# KiCad board panel.kicad_pcb
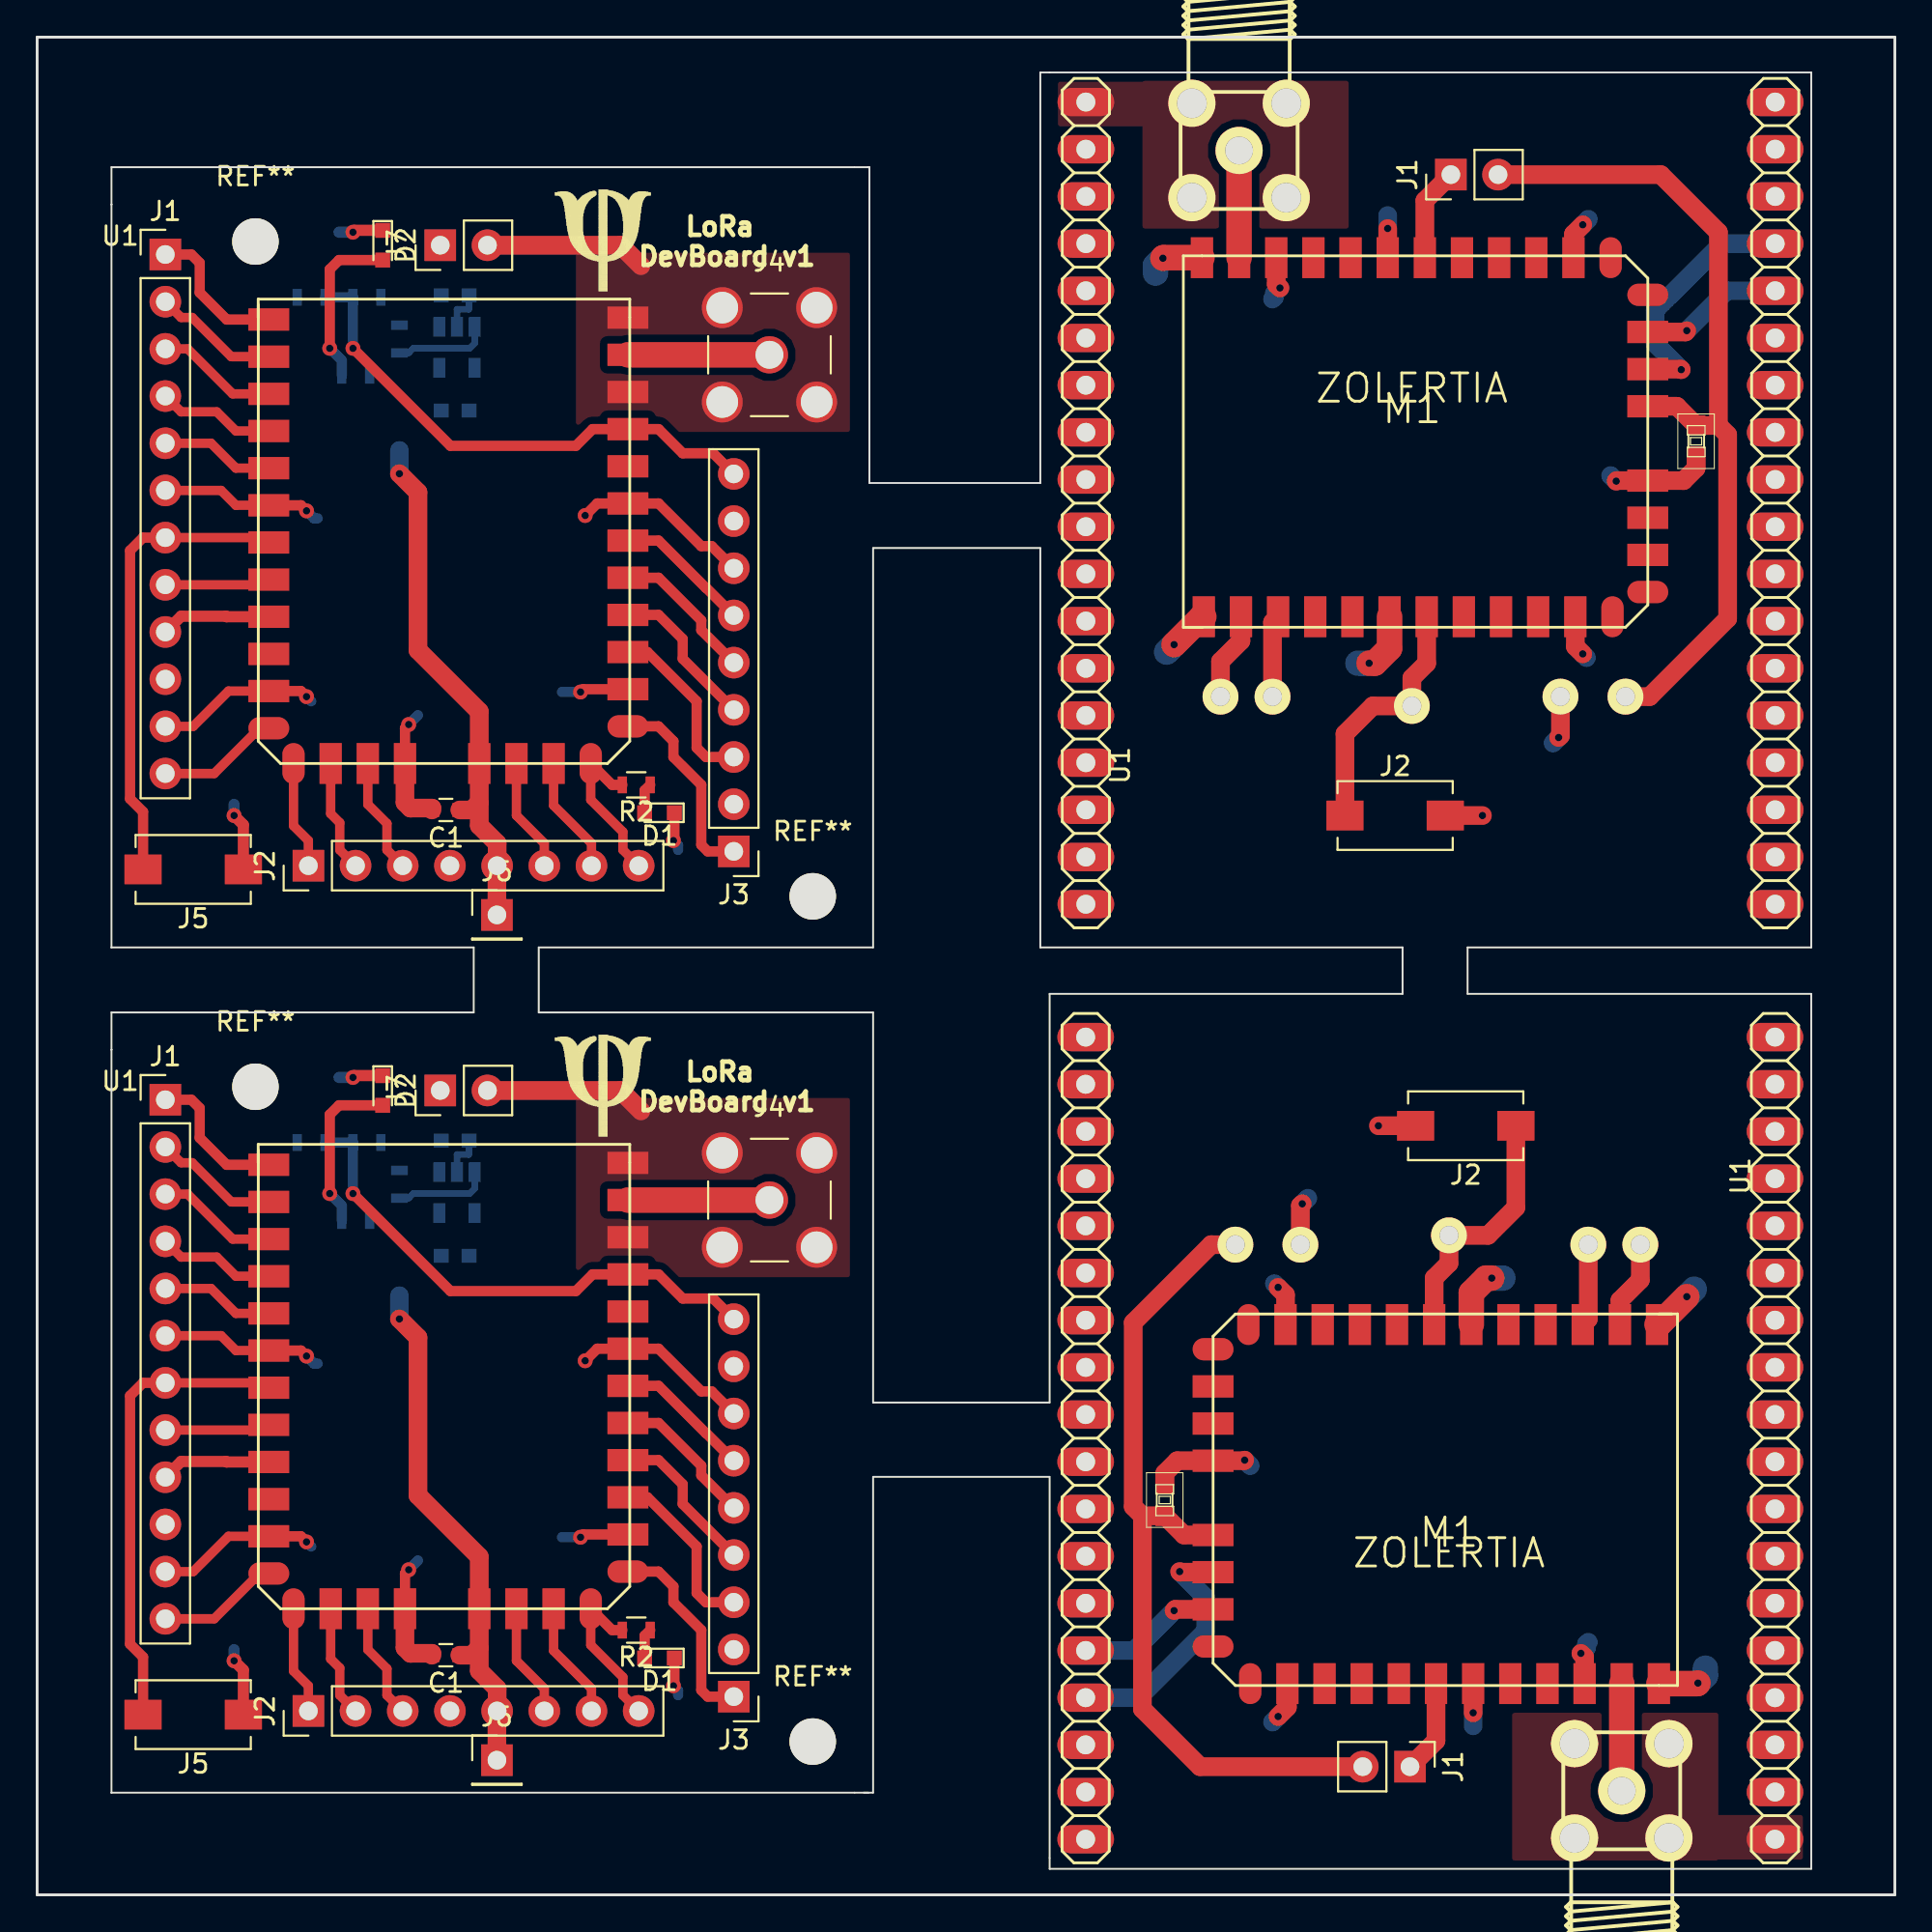
[diagram p0: board, top side]
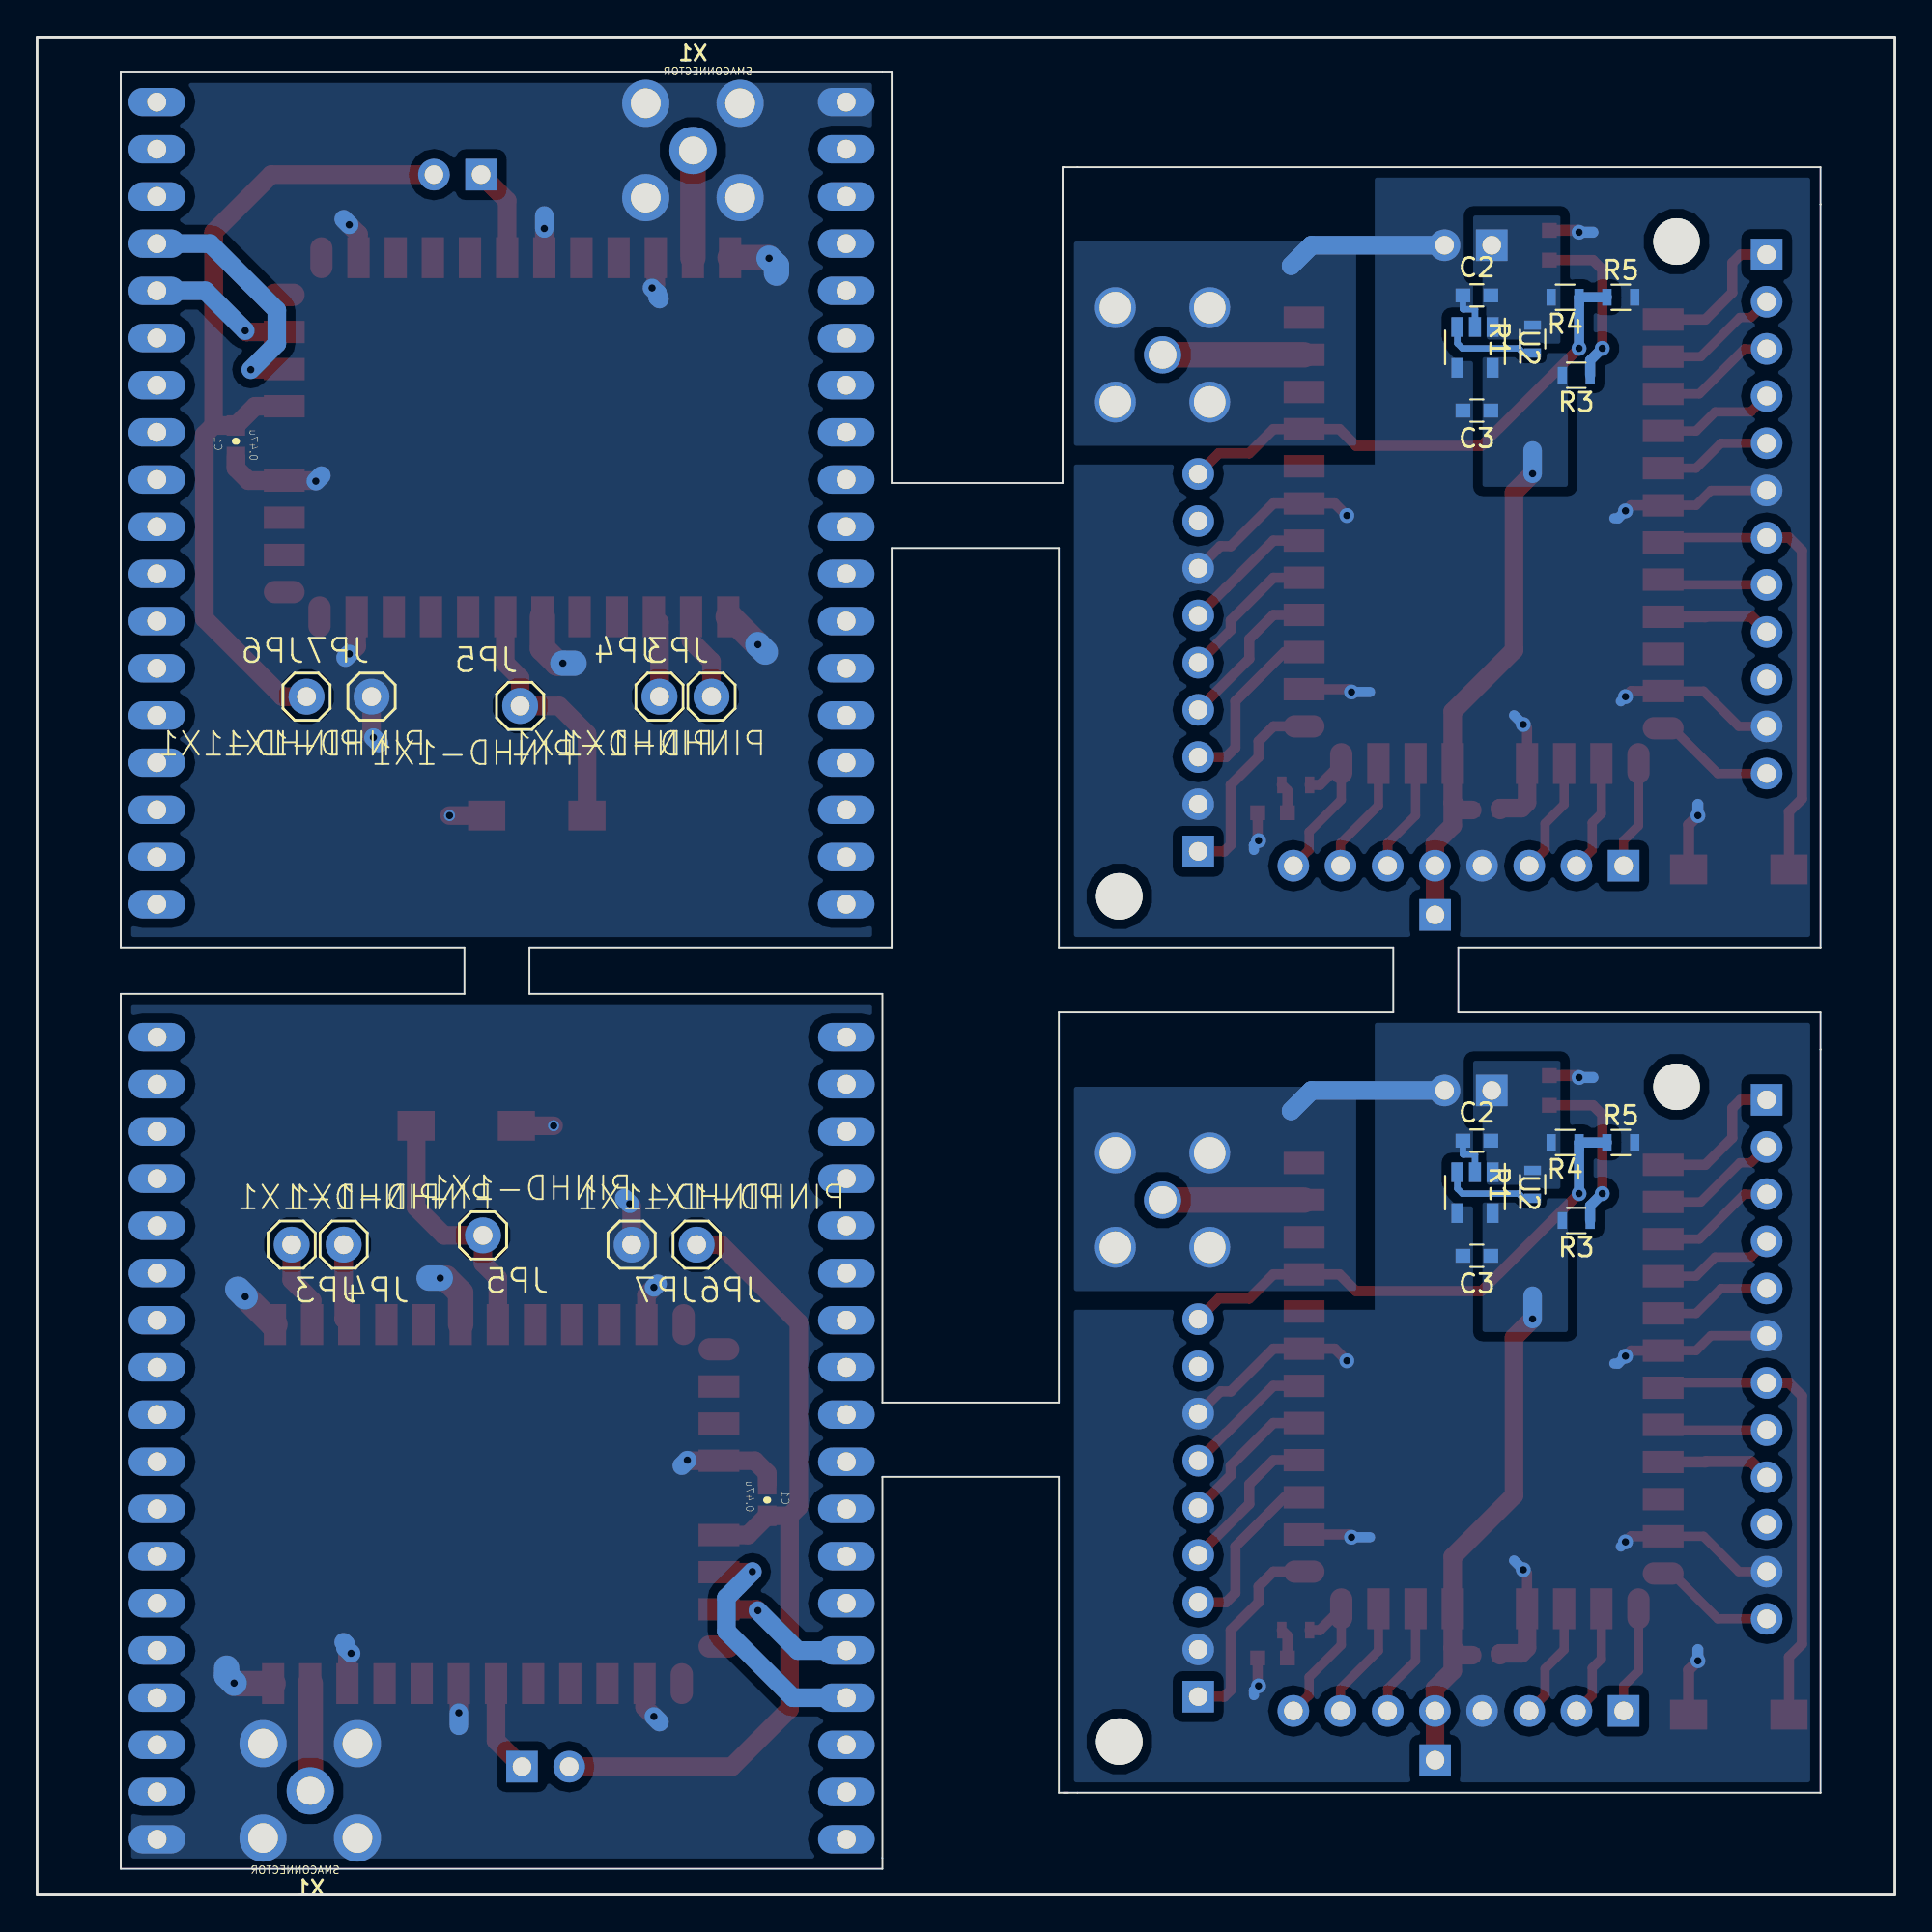
[diagram p1: board, bottom side, seen from below]

Outline 100 x 100 mm; copper layers: Top, Bottom. Coordinates in mm from the lower left corner of the outline.
Outline path: 44.75,93 4,93 4,51 23.5,51 23.5,47.5 4,47.5 4,5.5 44.75,5.5 ; 44.5,5.5 45,5.5 45,22.5 54.5,22.5 54.5,2 ; 44.7,93 44.8,93 44.8,76 54,76 54,98.1 95.5,98.1 95.5,51 77,51 77,48.5 95.5,48.5 95.5,1.4 54.5,1.4 54.5,1.99 ; 0,100 100,100 100,0 0,0 0,100 ; 27,51 27,47.5 45,47.5 45,26.5 54.5,26.5 54.5,48.5 73.5,48.5 73.5,51 54,51 54,72.5 45,72.5 45,51 27,51

## Placement (name value [footprint] x y rotation side)
C1  0.47u  [0603-CAP]  89.3 78.25 270 top
C1#2  0.47u  [0603-CAP]  60.7 21.25 90 top
C1#3  0.1u  [C_0603]  22 58.4 180 top
C1#4  0.1u  [C_0603]  22 12.9 180 top
C2  1u  [C_0603]  22.5 86.1 180 bottom
C2#2  1u  [C_0603]  22.5 40.6 180 bottom
C3  1u  [C_0603]  22.5 79.9 0 bottom
C3#2  1u  [C_0603]  22.5 34.4 0 bottom
D1  LED  [LED_0603]  33.5 58.25 180 top
D1#2  LED  [LED_0603]  33.5 12.75 180 top
D2  LED  [LED_0603]  18.6 88.8 270 top
D2#2  LED  [LED_0603]  18.6 43.3 270 top
J1  CONN_01X02  [Pin_Header_Straight_1x02_Pitch2.54mm]  76.1 92.6 90 top
J1#2  CONN_01X02  [Pin_Header_Straight_1x02_Pitch2.54mm]  73.9 6.9 270 top
J1#3  CONN_01X12  [Pin_Header_Straight_1x12_Pitch2.54mm]  6.9 88.3 0 top
J1#4  CONN_01X12  [Pin_Header_Straight_1x12_Pitch2.54mm]  6.9 42.8 0 top
J2  CONN_01X02  [SW_SPST_EVQPE1]  73.1 58.1 0 top
J2#2  CONN_01X02  [SW_SPST_EVQPE1]  76.9 41.4 180 top
J2#3  CONN_01X08  [Pin_Header_Straight_1x08_Pitch2.54mm]  14.6 55.4 90 top
J2#4  CONN_01X08  [Pin_Header_Straight_1x08_Pitch2.54mm]  14.6 9.9 90 top
J3  CONN_01X09  [Pin_Header_Straight_1x09_Pitch2.54mm]  37.5 56.17 180 top
J3#2  CONN_01X09  [Pin_Header_Straight_1x09_Pitch2.54mm]  37.5 10.67 180 top
J4  CONN_COAXIAL  [SMA_THT_Jack_Straight]  39.42 82.9 0 top
J4#2  CONN_COAXIAL  [SMA_THT_Jack_Straight]  39.42 37.4 0 top
J5  SwitchSPST  [SW_SPST_EVQPE1]  8.4 55.2 180 top
J5#2  SwitchSPST  [SW_SPST_EVQPE1]  8.4 9.7 180 top
J6  CONN_01X01  [Pin_Header_Straight_1x01_Pitch2.54mm]  24.75 52.75 0 top
J6#2  CONN_01X01  [Pin_Header_Straight_1x01_Pitch2.54mm]  24.75 7.25 0 top
J7  PWR  [Pin_Header_Straight_1x02_Pitch2.54mm]  21.7 88.8 90 top
J7#2  PWR  [Pin_Header_Straight_1x02_Pitch2.54mm]  21.7 43.3 90 top
JP3  PINHD-1X1  [1X01]  63.7 64.5 0 top
JP3#2  PINHD-1X1  [1X01]  86.3 35 180 top
JP4  PINHD-1X1  [1X01]  66.5 64.5 0 top
JP4#2  PINHD-1X1  [1X01]  83.5 35 180 top
JP5  PINHD-1X1  [1X01]  74 64 0 top
JP5#2  PINHD-1X1  [1X01]  76 35.5 180 top
JP6  PINHD-1X1  [1X01]  85.5 64.5 0 top
JP6#2  PINHD-1X1  [1X01]  64.5 35 180 top
JP7  PINHD-1X1  [1X01]  82 64.5 0 top
JP7#2  PINHD-1X1  [1X01]  68 35 180 top
LOGO  -  [logo]  27.7 91.8 0 top
LOGO#2  -  [logo]  27.7 46.3 0 top
M1  ZOLERTIA  [zolertia-ZOLERTIA]  74 80 0 top
M1#2  ZOLERTIA  [zolertia-ZOLERTIA]  76 19.5 180 top
R1  10k  [R_0603]  19.5 83.75 90 bottom
R1#2  10k  [R_0603]  19.5 38.25 90 bottom
R2  10k  [R_0603]  32.25 59.75 180 top
R2#2  10k  [R_0603]  32.25 14.25 180 top
R3  10k  [R_0603]  17.15 81.8 0 bottom
R3#2  10k  [R_0603]  17.15 36.3 0 bottom
R4  33k  [R_0603]  17.75 86 0 bottom
R4#2  33k  [R_0603]  17.75 40.5 0 bottom
R5  10k  [R_0603]  14.75 86 180 bottom
R5#2  10k  [R_0603]  14.75 40.5 180 bottom
REF**  -  [MountingHole_2.5mm]  41.75 53.75 0 top
REF**#2  -  [MountingHole_2.5mm]  41.75 8.25 0 top
REF**#3  -  [MountingHole_2.5mm]  11.75 89 0 top
REF**#4  -  [MountingHole_2.5mm]  11.75 43.5 0 top
U1  -  [im880b]  62.8 68.8 90 top
U1#2  -  [im880b]  87.2 30.7 270 top
U1#3  -  [im880b]  12.47 84.8 0 top
U1#4  -  [im880b]  12.47 39.3 0 top
U2  LDO-TPS78233  [SOT-23-5]  22.6 83.3 270 bottom
U2#2  LDO-TPS78233  [SOT-23-5]  22.6 37.8 270 bottom
X1  SMACONNECTOR  [SMA90_DIP]  64.7 93.9 0 top
X1#2  SMACONNECTOR  [SMA90_DIP]  85.3 5.6 180 top

## Footprints (pads in the part's own frame, mm; a bottom-side part is the same pattern mirrored in y, then rotated)
1X01
  round 1.93 hole 1.016: 1(0,0)
0603-CAP
  rect 1.1x0.998 smd: 1(-0.848,0) 2(0.848,0)
C_0603
  rect 0.8x0.75 smd: 1(-0.75,0) 2(0.75,0)
im880b
  rect 2.2x1.2 smd: 1(0,0) 2(0,-2) 3(0,-4) 4(0,-6) 5(0,-8) 6(0,-10) 7(0,-12) 8(0,-14) 9(0,-16) 10(0,-18) 11(0,-20) 22(19.33,-19.9) 23(19.33,-17.9) 24(19.33,-15.9) 25(19.33,-13.9) 26(19.33,-11.9) 27(19.33,-9.9) 28(19.33,-7.9) 29(19.33,-5.9) 30(19.33,-3.9) 31(19.33,-1.9) 32(19.33,0.1)
  oval 2.2x1.2 smd: 12(0,-22) 21(19.33,-21.9)
  oval 1.2x2.2 smd: 13(1.33,-23.9) 20(17.33,-23.9)
  rect 1.2x2.2 smd: 14(3.33,-23.9) 15(5.33,-23.9) 16(7.33,-23.9) 17(11.33,-23.9) 18(13.33,-23.9) 19(15.33,-23.9)
LED_0603
  rect 0.8x0.8 smd: 1(-0.8,0) 2(0.8,0)
MountingHole_2.5mm
  round 2.5 hole 2.5 unplated: (0,0)
Pin_Header_Straight_1x01_Pitch2.54mm
  rect 1.7x1.7 hole 1: 1(0,0)
Pin_Header_Straight_1x02_Pitch2.54mm
  rect 1.7x1.7 hole 1: 1(0,0)
  oval 1.7x1.7 hole 1: 2(0,-2.54)
Pin_Header_Straight_1x08_Pitch2.54mm
  rect 1.7x1.7 hole 1: 1(0,0)
  oval 1.7x1.7 hole 1: 2(0,-2.54) 3(0,-5.08) 4(0,-7.62) 5(0,-10.16) 6(0,-12.7) 7(0,-15.24) 8(0,-17.78)
Pin_Header_Straight_1x09_Pitch2.54mm
  rect 1.7x1.7 hole 1: 1(0,0)
  oval 1.7x1.7 hole 1: 2(0,-2.54) 3(0,-5.08) 4(0,-7.62) 5(0,-10.16) 6(0,-12.7) 7(0,-15.24) 8(0,-17.78) 9(0,-20.32)
Pin_Header_Straight_1x12_Pitch2.54mm
  rect 1.7x1.7 hole 1: 1(0,0)
  oval 1.7x1.7 hole 1: 2(0,-2.54) 3(0,-5.08) 4(0,-7.62) 5(0,-10.16) 6(0,-12.7) 7(0,-15.24) 8(0,-17.78) 9(0,-20.32) 10(0,-22.86) 11(0,-25.4) 12(0,-27.94)
R_0603
  rect 0.5x0.9 smd: 1(-0.75,0) 2(0.75,0)
SMA90_DIP
  round 2.54 hole 1.499: ANTE(0,0)
  round 2.54 hole 1.598: GND1(-2.54,2.54) GND2(2.54,2.54) GND3(-2.54,-2.54) GND4(2.54,-2.54)
SMA_THT_Jack_Straight
  round 2 hole 1.5: 1(0,0)
  round 2.2 hole 1.7: 2(-2.54,2.54) 2(-2.54,-2.54) 2(2.54,2.54) 2(2.54,-2.54)
SOT-23-5
  rect 1.06x0.65 smd: 1(-1.1,0.95) 2(-1.1,0) 3(-1.1,-0.95) 4(1.1,-0.95) 5(1.1,0.95)
SW_SPST_EVQPE1
  rect 2x1.6 smd: 1(-2.7,0) 2(2.7,0)
zolertia-ZOLERTIA
  oval 3.048x1.524 hole 1.016: 1(-17.549,16.51) 2(-17.549,13.97) 3(-17.549,11.43) 4(-17.549,8.89) 5(-17.549,6.35) 6(-17.549,3.81) 7(-17.549,1.27) 8(-17.549,-1.27) 9(-17.549,-3.81) 10(-17.549,-6.35) 11(-17.549,-8.89) 12(-17.549,-11.43) 13(-17.549,-13.97) 14(-17.549,-16.51) 15(-17.549,-19.05) 16(-17.549,-21.59) 17(-17.549,-24.13) 18(-17.549,-26.67) 19(19.558,-26.67) 20(19.558,-24.13) 21(19.558,-21.59) 22(19.558,-19.05) 23(19.558,-16.51) 24(19.558,-13.97) 25(19.558,-11.43) 26(19.558,-8.89) 27(19.558,-6.35) 28(19.558,-3.81) 29(19.558,-1.27) 30(19.558,1.27) 31(19.558,3.81) 32(19.558,6.35) 33(19.558,8.89) 34(19.558,11.43) 35(19.558,13.97) 36(19.558,16.51)

## Nets
+3V3: C1#3.1 C1#4.1 C3.1 C3#2.1 J2#3.5 J2#4.5 J6.1 J6#2.1 R3.2 R3#2.2 U1#3.17 U1#4.17 U2.5 U2#2.5
/3V3: C1.1 C1#2.1 J1.2 J1#2.2 JP6.1 JP6#2.1 U1.17 U1#2.17
GND: C1.2 C1#2.2 C1#3.2 C1#4.2 C2.1 C2#2.1 C3.2 C3#2.2 D1.1 D1#2.1 D2.1 D2#2.1 J1#3.6 J1#3.11 J1#4.6 J1#4.11 J2.2 J2#2.2 J2#3.4 J2#4.4 J3.2 J3.7 J3#2.2 J3#2.7 J4.2 J4#2.2 J5.1 J5#2.1 J7.2 J7#2.2 JP7.1 JP7#2.1 M1.1 M1#2.1 R5.2 R5#2.2 U1.1 U1.6 U1.11 U1.16 U1.22 U1.27 U1.30 U1.32 U1#2.1 U1#2.6 U1#2.11 U1#2.16 U1#2.22 U1#2.27 U1#2.30 U1#2.32 U1#3.6 U1#3.11 U1#3.16 U1#3.22 U1#3.27 U1#3.30 U1#3.32 U1#4.6 U1#4.11 U1#4.16 U1#4.22 U1#4.27 U1#4.30 U1#4.32 U2.2 U2.4 U2#2.2 U2#2.4 X1.GND1 X1.GND2 X1.GND3 X1.GND4 X1#2.GND1 X1#2.GND2 X1#2.GND3 X1#2.GND4
+BATT: C2.2 C2#2.2 J7.1 J7#2.1 R1.2 R1#2.2 R4.2 R4#2.2 U2.1 U2#2.1
/1: J1#3.1 J1#4.1 U1#3.1 U1#4.1
/2: J1#3.2 J1#4.2 U1#3.2 U1#4.2
/3: J1#3.3 J1#4.3 U1#3.3 U1#4.3
/4: J1#3.4 J1#4.4 U1#3.4 U1#4.4
/5: J1#3.5 J1#4.5 U1#3.5 U1#4.5
/7: J1#3.7 J1#4.7 J5.2 J5#2.2 U1#3.7 U1#4.7
/8: J1#3.8 J1#4.8 U1#3.8 U1#4.8
/9: J1#3.9 J1#4.9 U1#3.9 U1#4.9
/12: J1#3.12 J1#4.12 U1#3.12 U1#4.12
/13: J2#3.1 J2#4.1 U1#3.13 U1#4.13
/14: J2#3.2 J2#4.2 U1#3.14 U1#4.14
/15: J2#3.3 J2#4.3 U1#3.15 U1#4.15
/18: J2#3.6 J2#4.6 U1#3.18 U1#4.18
/19: J2#3.7 J2#4.7 U1#3.19 U1#4.19
/20: J2#3.8 J2#4.8 R2.2 R2#2.2 U1#3.20 U1#4.20
/21: J3.1 J3#2.1 U1#3.21 U1#4.21
/23: J3.3 J3#2.3 U1#3.23 U1#4.23
/24: J3.4 J3#2.4 U1#3.24 U1#4.24
/25: J3.5 J3#2.5 U1#3.25 U1#4.25
/26: J3.6 J3#2.6 U1#3.26 U1#4.26
/29: J3.9 J3#2.9 R4.1 R4#2.1 R5.1 R5#2.1 U1#3.29 U1#4.29
/BOOT: J1.1 J1#2.1 U1.26 U1#2.26
/JTCK: JP3.1 JP3#2.1 U1.2 U1#2.2
/JTMS: JP4.1 JP4#2.1 U1.3 U1#2.3
/RESET: J2.1 J2#2.1 JP5.1 JP5#2.1 U1.7 U1#2.7
/RF: J4.1 J4#2.1 U1.31 U1#2.31 U1#3.31 U1#4.31 X1.ANTE X1#2.ANTE
/RXD: M1.33 M1#2.33 U1.18 U1#2.18
/TXD: M1.32 M1#2.32 U1.19 U1#2.19
Net-(D1-Pad2): D1.2 D1#2.2 R2.1 R2#2.1
Net-(D2-Pad2): D2.2 D2#2.2 R3.1 R3#2.1
Net-(R1-Pad1): R1.1 R1#2.1 U2.3 U2#2.3

Pads without a net: J1#3 10; J1#4 10; J3 8; J3#2 8; M1 2 3 4 5 6 7 8 9 10 11 12 13 14 15 16 17 18 19 20 21 22 23 24 25 26 27 28 29 30 31 34 35 36; M1#2 2 3 4 5 6 7 8 9 10 11 12 13 14 15 16 17 18 19 20 21 22 23 24 25 26 27 28 29 30 31 34 35 36; U1 4 5 8 9 10 12 13 14 15 20 21 23 24 25 28 29; U1#2 4 5 8 9 10 12 13 14 15 20 21 23 24 25 28 29; U1#3 10 28; U1#4 10 28

## Via types
v1: diameter 0.6, hole 0.4, Top to Bottom, 24 vias
v2: diameter 0.8, hole 0.4, Top to Bottom, 22 vias

## Routing (per net, layer and track width the routed paths; a pad name or vN(x,y) marks a point on that pad's centre or on a via; arc(x,y) is an arc through that point)
+3V3: length 56.8
  Top w1: 23.8,13.3 23.8,12.06 24.76,11.1 J2#4.5 24.75,9.89 J6#2.1 ; 23.8,13.3 23.4,12.9 C1#4.1 ; 23.8,13.3 U1#4.17 23.8,18.2 20.5,21.5 20.5,30 v2(19.5,31) ; 23.8,58.8 23.4,58.4 C1#3.1 ; 23.8,58.8 23.8,57.56 24.76,56.6 J2#3.5 24.75,55.39 J6.1 ; 23.8,58.8 U1#3.17 23.8,63.7 20.5,67 20.5,75.5 v2(19.5,76.5)
  Bottom w1: 19.5,32.25 v2(19.5,31) ; 19.5,77.75 v2(19.5,76.5)
/3V3: length 91.2
  Top w1: JP6.1 86.8,64.5 91,68.7 91,78.6 90.5,79.1 ; 59.5,20.4 59,20.9 59,30.8 63.2,35 JP6#2.1 ; 59.5,20.4 C1#2.1 61.73,19.37 U1#2.17 ; 59.5,20.4 59.5,10 62.6,6.9 J1#2.2 ; J1.2 87.4,92.6 90.5,89.5 90.5,79.1 ; 90.5,79.1 C1.1 88.27,80.13 U1.17
GND: length 194.1
  Top w0.5: J1#4.6 9.9,30.1 10.7,29.3 U1#4.6 ; J1#3.6 9.9,75.6 10.7,74.8 U1#3.6 ; J1#3.11 8.4,62.9 10.3,64.8 U1#3.11 ; U1#4.11 10.3,19.3 8.4,17.4 J1#4.11
  Top w0.55: U1#4.11 14.2,19.3 v2(14.5,19) ; J3#2.7 36.31,27.1 35.75,27.1 33.45,29.4 U1#4.27 30.15,29.4 v2(29.5,28.75) ; v2(34.25,56.75) 34.3,56.8 D1.1 ; v2(14.5,64.5) 14.2,64.8 U1#3.11 ; D1#2.1 34.3,11.3 v2(34.25,11.25) ; U1#4.22 29.4,19.4 v2(29.25,19.25) ; J3.7 36.31,72.6 35.75,72.6 33.45,74.9 U1#3.27 30.15,74.9 v2(29.5,74.25) ; U1#3.22 29.4,64.9 v2(29.25,64.75) ; v2(20,63) 19.8,62.8 U1#3.16 ; U1#4.6 14.2,29.3 v2(14.5,29) ; U1#3.6 14.2,74.8 v2(14.5,74.5) ; v2(20,17.5) 19.8,17.3 U1#4.16
  Top w0.6: J5#2.1 11.1,12.1 v2(10.6,12.6) ; v2(17,44) 17.1,44.1 D2#2.1 ; v2(10.6,58.1) 11.1,57.6 J5.1 ; D2.1 17.1,89.6 v2(17,89.5)
  Top w1: 32.5,87.7 31.4,88.8 J7.2 ; 32.5,42.2 31.4,43.3 J7#2.2 ; U1#2.22 67.3,10.1 v1(66.8,9.6) ; v1(81.9,62.3) 82,62.4 JP7.1 ; J2.2 v1(77.8,58.1) ; U1#2.27 v1(77.3,9.8) ; v1(83.2,89.9) 82.7,89.4 U1.22 ; U1.30 66.7,86.7 v1(66.9,86.5) ; U1#2.11 67.2,32.3 v1(66.8,32.7) ; C1#3.2 21.25,58.5 20.1,58.5 19.8,58.8 U1#3.16 ; U1.11 82.8,67.2 v1(83.2,66.8) ; J2#2.2 v1(72.2,41.4) ; U1#4.16 19.8,13.3 20.1,13 21.25,13 C1#4.2 ; v1(83.1,13) 83.3,12.8 U1#2.30 ; C1#2.2 60.7,22.7 61.37,23.37 U1#2.16 64.97,23.37 v1(65,23.4) ; JP7#2.1 68,37.1 v1(68.1,37.2) ; v1(85,76.1) 85.03,76.13 U1.16 88.63,76.13 89.3,76.8 C1.2 ; U1.27 v1(72.7,89.7)
  Top w1.37: v1(60.6,88.1) 60.63,88.13 U1.32 ; v1(89.4,11.4) 89.37,11.37 U1#2.32 ; v1(61.2,67.3) 62.7,68.8 U1.1 ; U1.6 72.8,67.1 72,66.3 v1(71.7,66.3) ; U1#2.6 77.2,32.4 78,33.2 v1(78.3,33.2) ; v1(88.8,32.2) 87.3,30.7 U1#2.1
  Bottom w0.35: C2#2.1 23.25,39.88 23.22,39.85 22.6,39.85 U2#2.2 ; C2.1 23.25,85.38 23.22,85.35 22.6,85.35 U2.2
  Bottom w0.55: v2(34.25,11.25) 34.5,11 34.5,10.75 ; v2(14.5,29) 14.9,28.6 15.1,28.6 ; 15.1,74.1 14.9,74.1 v2(14.5,74.5) ; 34.5,56.25 34.5,56.5 v2(34.25,56.75) ; v2(29.25,19.25) 28.25,19.25 ; v2(14.5,19) 14.75,18.75 ; v2(20,17.5) 20.5,18 ; v2(14.5,64.5) 14.75,64.25 ; v2(20,63) 20.5,63.5 ; v2(29.25,64.75) 28.25,64.75
  Bottom w0.6: v2(17,89.5) 16.25,89.5 ; v2(10.6,12.6) 10.6,13.2 ; v2(10.6,58.1) 10.6,58.7 ; v2(17,44) 16.25,44
  Bottom w1: 31.4,88.8 32.5,87.7 31.4,88.8 ; 31.4,88.8 J7.2 24.6,88.8 ; 31.4,43.3 32.5,42.2 31.4,43.3 ; 31.4,43.3 J7#2.2 24.6,43.3 ; 83.5,90.2 v1(83.2,89.9) ; 66.6,32.9 v1(66.8,32.7) ; v1(66.9,86.5) 66.6,86.2 66.6,86 66.5,85.9 ; 68.4,37.5 v1(68.1,37.2) ; 81.6,62 v1(81.9,62.3) ; 83.5,13.6 83.4,13.5 83.4,13.3 v1(83.1,13) ; 65.3,23.1 v1(65,23.4) ; 83.4,66.6 v1(83.2,66.8) ; 84.7,76.4 v1(85,76.1) ; v1(72.7,89.7) 72.7,90.4 ; v1(77.3,9.8) 77.3,9.1 ; 66.5,9.3 v1(66.8,9.6)
  Bottom w1.37: v1(60.6,88.1) 60.2,87.7 60.2,87.3 ; v1(89.4,11.4) 89.8,11.8 89.8,12.2 ; v1(71.7,66.3) 71.1,66.3 ; 89.2,32.6 v1(88.8,32.2) ; v1(78.3,33.2) 78.9,33.2 ; 60.8,66.9 v1(61.2,67.3)
/1: length 15.9
  Top w0.55: J1#3.1 8.3,88.3 8.75,87.85 8.75,86.25 10.2,84.8 U1#3.1 ; U1#4.1 10.2,39.3 8.75,40.75 8.75,42.35 8.3,42.8 J1#4.1
/2: length 14.6
  Top w0.5: 11.97,82.8 U1#3.2 10.45,82.8 8.34,84.91 7.75,84.91 J1#3.2 ; J1#4.2 7.75,39.41 8.34,39.41 10.45,37.3 U1#4.2 11.97,37.3
/3: length 14.1
  Top w0.5: 11.97,80.8 U1#3.3 10.52,80.8 8.1,83.22 J1#3.3 ; 11.97,35.3 U1#4.3 10.52,35.3 8.1,37.72 J1#4.3
/4: length 12.7
  Top w0.5: J1#3.4 7.75,79.83 9.67,79.83 10.7,78.8 U1#3.4 ; J1#4.4 7.75,34.33 9.67,34.33 10.7,33.3 U1#4.4
/5: length 12.3
  Top w0.5: U1#3.5 10.7,76.8 9.36,78.14 J1#3.5 ; U1#4.5 10.7,31.3 9.36,32.64 J1#4.5
/7: length 50.6
  Top w0.5: U1#3.7 12.21,73.06 J1#3.7 ; J1#4.7 12.21,27.56 U1#4.7
  Top w0.55: J1#4.7 5.7,27.56 5,26.86 5,13.5 5.7,12.8 J5#2.2 ; J5.2 5.7,58.3 5,59 5,72.36 5.7,73.06 J1#3.7
/8: length 11.4
  Top w0.5: U1#4.8 12.19,25.02 J1#4.8 ; U1#3.8 12.19,70.52 J1#3.8
/9: length 11.9
  Top w0.6: J1#3.9 7.75,68.83 10.17,68.83 10.2,68.8 U1#3.9 ; J1#4.9 7.75,23.33 10.17,23.33 10.2,23.3 U1#4.9
/12: length 13.2
  Top w0.5: U1#4.12 11.97,17.3 9.53,14.86 J1#4.12 ; U1#3.12 11.97,62.8 9.53,60.36 J1#3.12
/13: length 11.7
  Top w0.5: J2#3.1 14.6,56.75 13.8,57.55 U1#3.13 ; U1#4.13 13.8,12.05 14.6,11.25 J2#4.1
/14: length 12.1
  Top w0.5: J2#3.2 16.29,56.25 16.29,57.71 15.8,58.2 U1#3.14 ; U1#4.14 15.8,12.7 16.29,12.21 16.29,10.75 J2#4.2
/15: length 12.6
  Top w0.5: J2#4.3 18.83,10.75 18.83,12.17 17.8,13.2 U1#4.15 ; J2#3.3 18.83,56.25 18.83,57.67 17.8,58.7 U1#3.15
/18: length 12.2
  Top w0.5: J2#4.6 27.3,11.1 25.8,12.6 U1#4.18 ; U1#3.18 25.8,58.1 27.3,56.6 J2#3.6
/19: length 12.7
  Top w0.5: U1#3.19 27.8,58.64 29.84,56.6 J2#3.7 ; U1#4.19 27.8,13.14 29.84,11.1 J2#4.7
/20: length 17.5
  Top w0.5: U1#4.20 29.8,13.45 31.53,11.72 31.53,10.75 J2#4.8 ; J2#3.8 31.53,56.25 31.53,57.22 29.8,58.95 U1#3.20
  Top w0.55: U1#3.20 30.95,59.75 R2.2 ; R2#2.2 30.95,14.25 U1#4.20
/21: length 21.8
  Top w0.55: J3.1 36.1,56.17 35.75,56.52 35.75,59.75 34.25,61.25 34.25,62.1 33.45,62.9 U1#3.21 ; J3#2.1 36.1,10.67 35.75,11.02 35.75,14.25 34.25,15.75 34.25,16.6 33.45,17.4 U1#4.21
/23: length 19
  Top w0.55: J3.3 36,61.25 35.5,61.75 35.5,64.25 32.85,66.9 U1#3.23 ; J3#2.3 36,15.75 35.5,16.25 35.5,18.75 32.85,21.4 U1#4.23
/24: length 16.9
  Top w0.55: U1#3.24 33.45,68.9 34.75,67.6 34.75,66.54 J3.4 ; J3#2.4 34.75,21.04 34.75,22.1 33.45,23.4 U1#4.24
/25: length 15.8
  Top w0.55: U1#3.25 33.45,70.9 35.75,68.6 35.75,68.08 J3.5 ; U1#4.25 33.45,25.4 35.75,23.1 35.75,22.58 J3#2.5
/26: length 14.7
  Top w0.55: U1#4.26 33.45,27.4 36,24.85 36.02,24.85 J3#2.6 ; J3.6 36.02,70.35 36,70.35 33.45,72.9 U1#3.26
/29: length 57.6
  Top w0.5: 32.3,78.9 U1#3.29 ; 32.3,33.4 U1#4.29
  Top w0.55: v2(17,83.25) 22.25,78 29,78 29.9,78.9 U1#3.29 33.45,78.9 34.75,77.6 36.39,77.6 J3.9 ; J3#2.9 36.39,32.1 34.75,32.1 33.45,33.4 U1#4.29 29.9,33.4 29,32.5 22.25,32.5 v2(17,37.75)
  Bottom w0.55: v2(17,37.75) R4#2.1 R5#2.1 ; v2(17,83.25) R4.1 R5.1
/BOOT: length 10.1
  Top w1: U1.26 74.7,91.2 J1.1 ; U1#2.26 75.3,8.3 J1#2.1
/JTCK: length 9.5
  Top w1: U1#2.2 85.2,32 86.3,33.1 JP3#2.1 ; U1.2 64.8,67.5 63.7,66.4 JP3.1
/JTMS: length 8.8
  Top w1: JP4.1 66.5,68.5 U1.3 ; JP4#2.1 83.5,31 U1#2.3
/RESET: length 27.5
  Top w1: J2.1 70.4,62.5 71.9,64 JP5.1 74,65.5 74.8,66.3 U1.7 ; J2#2.1 79.6,37 78.1,35.5 JP5#2.1 76,34 75.2,33.2 U1#2.7
/RF: length 26.8
  Top w1.37: U1#2.31 X1#2.ANTE ; U1#3.31 J4.1 ; U1.31 X1.ANTE ; U1#4.31 J4#2.1
/RXD: length 27.1
  Top w1: v1(61.5,17.4) 61.53,17.37 U1#2.18 ; v1(88.5,82.1) 88.47,82.13 U1.18
  Bottom w1: M1.33 90.69,88.89 87.1,85.3 87.1,83.5 v1(88.5,82.1) ; M1#2.33 59.31,10.61 62.9,14.2 62.9,16 v1(61.5,17.4)
/TXD: length 15.6
  Top w1: v1(88.8,84.2) 88.73,84.13 U1.19 ; U1#2.19 61.27,15.37 v1(61.2,15.3)
  Bottom w1: v1(88.8,84.2) 90.95,86.35 M1.32 ; M1#2.32 59.05,13.15 v1(61.2,15.3)
Net-(D1-Pad2): length 3.2
  Top w0.55: R2.1 32.7,59.45 D1.2 ; D1#2.2 32.7,13.95 R2#2.1
Net-(D2-Pad2): length 18.1
  Top w0.55: v2(15.75,83.25) 15.75,87.5 16.25,88 D2.2 ; v2(15.75,37.75) 15.75,42 16.25,42.5 D2#2.2
  Bottom w0.55: v2(15.75,83.25) 16.4,82.6 R3.1 ; v2(15.75,37.75) 16.4,37.1 R3#2.1
Net-(R1-Pad1): length 10.3
  Bottom w0.35: U2.3 23.55,83.52 23.28,83.25 20.25,83.25 20,83 R1.1 ; R1#2.1 20,37.5 20.25,37.75 23.28,37.75 23.55,38.02 U2#2.3

## Copper pours and planes (outline as drawn; the poured copper is in the pictures)
+3V3 on Bottom: 17.6,83 22.2,83 22.2,75.8 17.6,75.8
+3V3 on Bottom: 17.6,37.5 22.2,37.5 22.2,30.3 17.6,30.3
GND on Top: 29,88.4 43.75,88.4 43.75,78.75 29,78.75
GND on Top: 79.4,9.8 79.4,1.5 90.5,1.5 90.5,9.8
GND on Top: 29,42.9 43.75,42.9 43.75,33.25 29,33.25
GND on Top: 54.8,95.2 62.9,95.2 62.9,97.6 54.8,97.6
GND on Top: 70.6,89.7 70.6,98 59.5,98 59.5,89.7
GND on Top: 95.2,4.3 87.1,4.3 87.1,1.9 95.2,1.9
GND on Bottom: 4.2,93 44.75,93 44.55,51 4,51
GND on Bottom: 95.5,1.5 54.5,1.5 54.5,48.5 95.5,48.5
GND on Bottom: 4.2,47.5 44.75,47.5 44.55,5.5 4,5.5
GND on Bottom: 54.5,98 95.5,98 95.5,51 54.5,51
+BATT on Bottom: 18,90.4 22.7,90.4 22.7,87.2 22.2,87.2 22.2,85.5 22,85.5 22,83.5 18,83.5
+BATT on Bottom: 18,44.9 22.7,44.9 22.7,41.7 22.2,41.7 22.2,40 22,40 22,38 18,38

## Text on the board
F.SilkS: LoRa / DevBoard v1
